# Allegro board 6089-119-RevA_41.brd (continued)
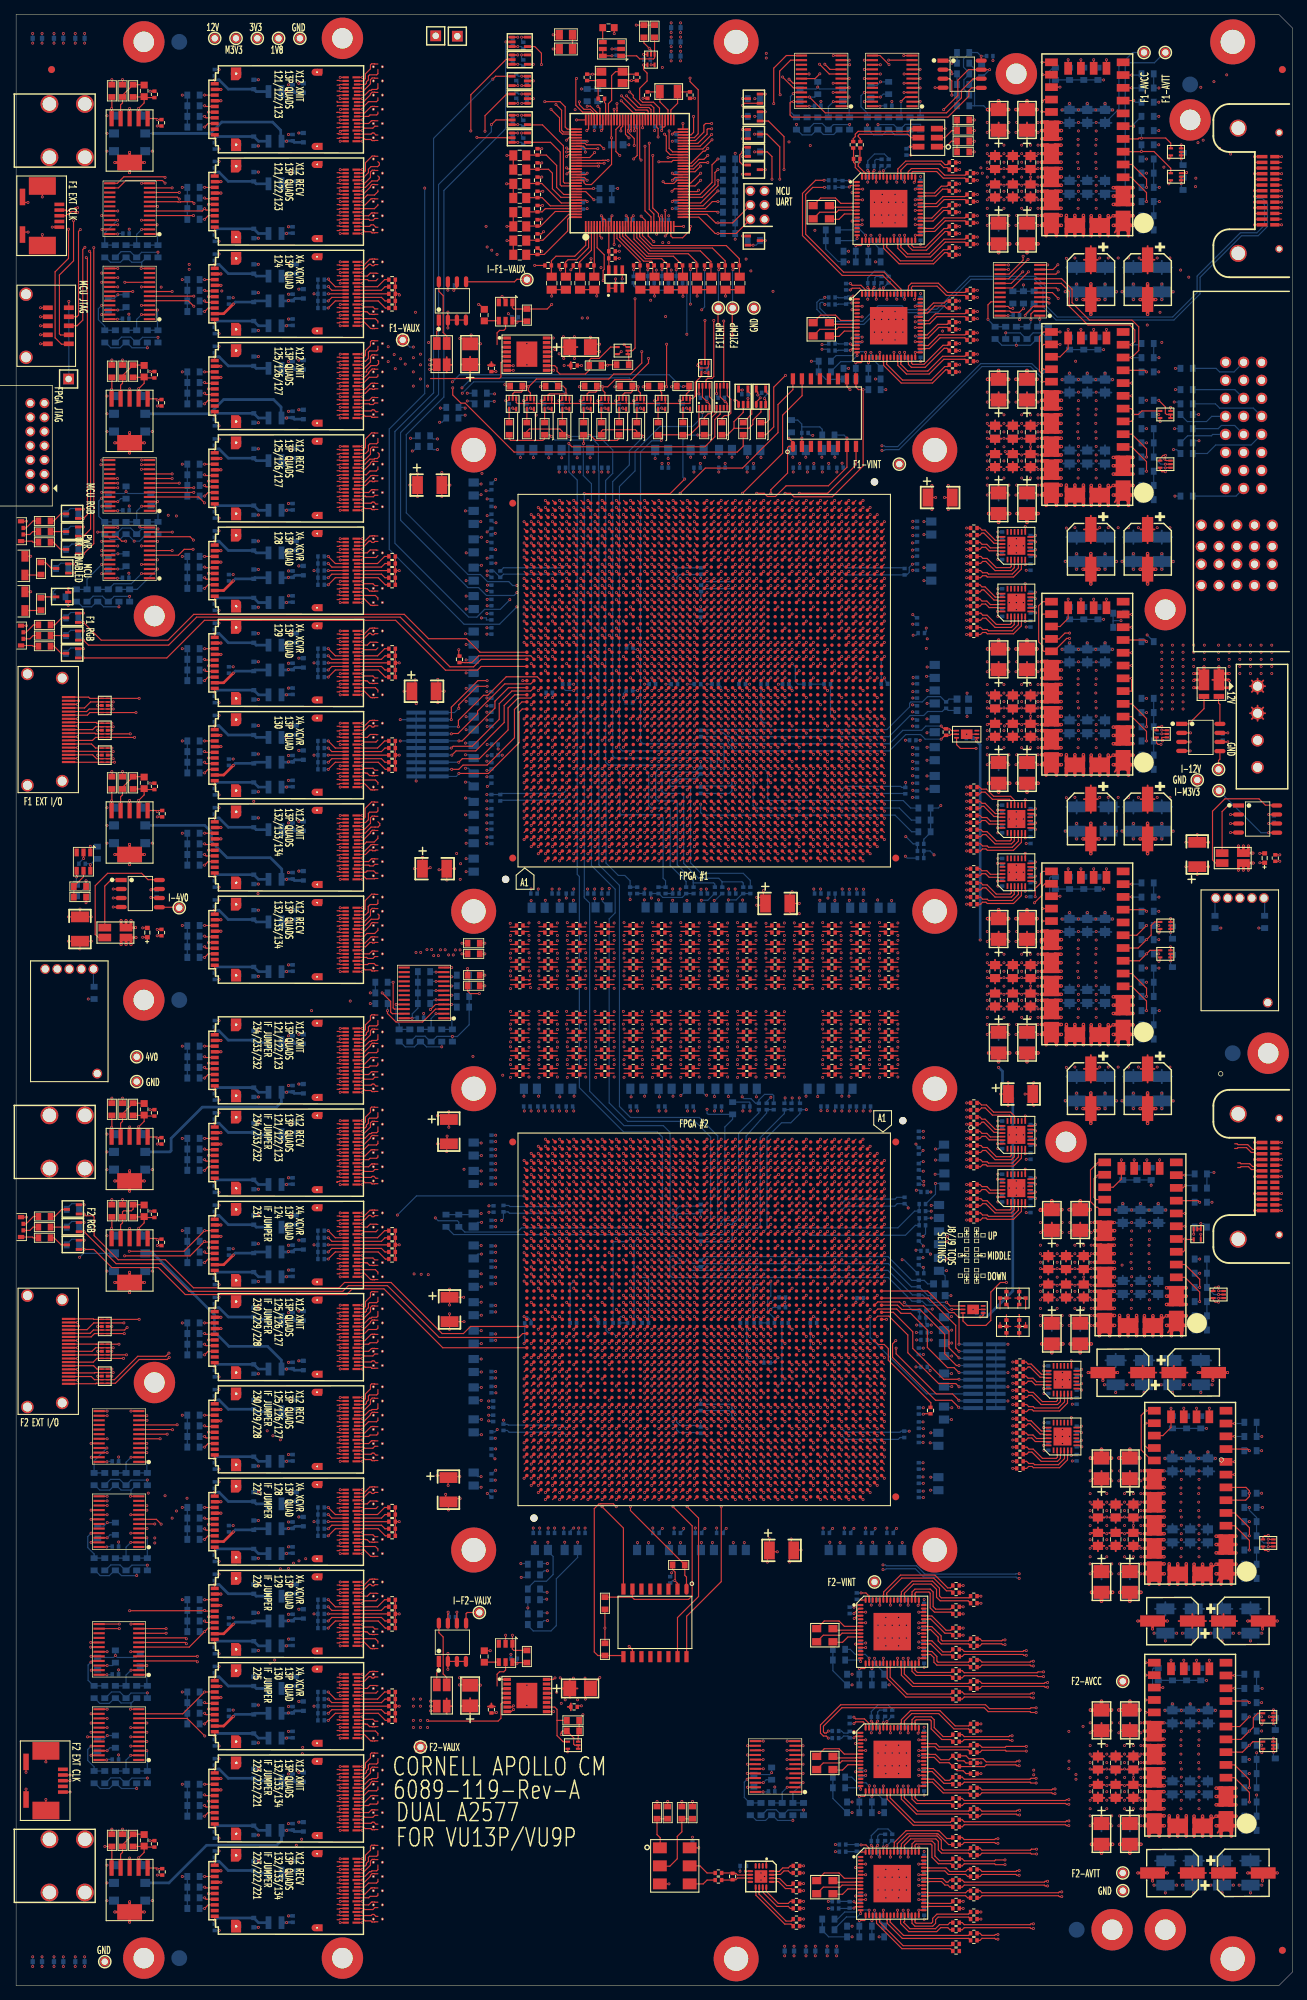
[diagram p0: board, top side]
## Routing (per net, layer and track width the routed paths; a pad name or vN(x,y) marks a point on that pad's centre or on a via; arc(x,y) is an arc through that point) (continued)
; J6.20 1.6,82.62 ; J6.20 2.66,81.55 ; J6.20 2.4,82.36 ; J6.20 1.6,80.48 ; 49.98,268.4 VA2.3 ; VA2.3 49.95,268.21 ; VA2.3 49.95,268.59 ; VA2.3 50.04,268.72 ; VA2.3 50.37,268.78 ; VA2.3 50.18,267.99 ; VA2.3 50.04,268.08 ; VA2.3 50.37,268.02 ; 50.18,170.49 VA39.4 ; VA39.4 50.37,171.28 ; VA39.4 50.04,170.58 ; VA39.4 49.98,170.9 ; VA39.4 50.04,171.22 ; VA39.4 50.37,170.52 ; VA39.4 49.95,170.71 ; VA39.4 49.95,171.09 ; VA66.4 51.96,107.22 ; VA66.4 52.05,107.09 ; VA66.4 51.82,107.31 ; VA66.4 52.05,106.71 ; VA66.4 51.63,107.28 ; VA66.4 51.63,106.52 ; VA66.4 51.96,106.58 ; VA66.4 52.02,106.9 ; VA49.4 51.63,149.78 ; VA49.4 52.05,149.21 ; VA49.4 51.82,149.81 ; VA49.4 51.63,149.02 ; VA49.4 52.05,149.59 ; VA49.4 51.96,149.08 ; VA49.4 51.96,149.72 ; VA49.4 52.02,149.4 ; 49.95,257.21 VA7.3 ; VA7.3 49.98,257.4 ; VA7.3 50.37,257.78 ; VA7.3 50.18,256.99 ; VA7.3 50.37,257.02 ; VA7.3 49.95,257.59 ; VA7.3 50.04,257.72 ; VA7.3 50.04,257.08 ; 50.18,165.99 VA41.3 ; VA41.3 50.37,166.78 ; VA41.3 49.95,166.59 ; VA41.3 49.95,166.21 ; VA41.3 50.04,166.72 ; VA41.3 50.04,166.08 ; VA41.3 50.37,166.02 ; VA41.3 49.98,166.4 ; VA4.4 51.96,264.72 ; VA4.4 51.63,264.78 ; VA4.4 51.96,264.08 ; VA4.4 52.05,264.21 ; VA4.4 52.02,264.4 ; VA4.4 52.05,264.59 ; VA4.4 51.82,264.81 ; VA4.4 51.63,264.02 ; 50.18,228.99 VA18.3 ; VA18.3 49.95,229.21 ; VA18.3 50.04,229.72 ; VA18.3 50.37,229.02 ; VA18.3 49.95,229.59 ; VA18.3 50.04,229.08 ; VA18.3 49.98,229.4 ; VA18.3 50.37,229.78 ; 50.18,8.99 VA104.3 ; VA104.3 50.04,9.08 ; VA104.3 50.37,9.78 ; VA104.3 49.95,9.21 ; VA104.3 49.98,9.4 ; VA104.3 50.04,9.72 ; VA104.3 49.95,9.59 ; VA104.3 50.37,9.02 ; PM16.1 104.88,236.4 ; PM16.1 104,237.28 ; PM16.1 103.12,236.4 ; PM16.1 103.33,235.73 ; PM16.1 104,235.52 ; PM16.1 104.67,235.73 ; PM16.1 103.33,237.07 ; PM16.1 104.67,237.07 ; VA4.3 50.37,264.78 ; VA4.3 49.98,264.4 ; VA4.3 49.95,264.59 ; VA4.3 49.95,264.21 ; VA4.3 50.37,264.02 ; VA4.3 50.04,264.08 ; VA4.3 50.18,263.99 ; VA4.3 50.04,264.72 ; VA96.4 52.02,26.4 ; VA96.4 52.05,26.59 ; VA96.4 51.82,26.81 ; VA96.4 51.63,26.78 ; VA96.4 51.63,26.02 ; VA96.4 51.96,26.08 ; VA96.4 52.05,26.21 ; VA96.4 51.96,26.72 ; VA45.4 52.05,158.21 ; VA45.4 51.96,158.08 ; VA45.4 52.05,158.59 ; VA45.4 52.02,158.4 ; VA45.4 51.82,158.81 ; VA45.4 51.96,158.72 ; VA45.4 51.63,158.78 ; VA45.4 51.63,158.02 ; 50.04,41.58 VA90.3 ; VA90.3 49.98,41.9 ; VA90.3 49.95,41.71 ; VA90.3 50.04,42.22 ; VA90.3 50.37,42.28 ; VA90.3 50.18,41.49 ; VA90.3 50.37,41.52 ; VA90.3 49.95,42.09 ; VA88.3 52.05,47.71 ; VA88.3 51.96,47.58 ; VA88.3 52.02,47.9 ; VA88.3 51.63,48.28 ; VA88.3 51.63,47.52 ; VA88.3 51.82,48.31 ; VA88.3 52.05,48.09 ; VA88.3 51.96,48.22 ; VA48.4 52.05,151.21 ; VA48.4 51.96,151.72 ; VA48.4 51.96,151.08 ; VA48.4 52.05,151.59 ; VA48.4 52.02,151.4 ; VA48.4 51.82,151.81 ; VA48.4 51.63,151.02 ; VA48.4 51.63,151.78 ; 50.04,76.08 VA79.3 ; VA79.3 49.95,76.21 ; VA79.3 50.37,76.02 ; VA79.3 49.95,76.59 ; VA79.3 49.98,76.4 ; VA79.3 50.18,75.99 ; VA79.3 50.04,76.72 ; VA79.3 50.37,76.78 ; VA82.4 52.05,67.71 ; VA82.4 52.02,67.9 ; VA82.4 51.96,67.58 ; VA82.4 51.63,67.52 ; VA82.4 52.05,68.09 ; VA82.4 51.82,68.31 ; VA82.4 51.96,68.22 ; VA82.4 51.63,68.28 ; 50.04,134.72 VA54.3 ; VA54.3 49.95,134.21 ; VA54.3 50.37,134.02 ; VA54.3 50.04,134.08 ; VA54.3 50.18,133.99 ; VA54.3 49.95,134.59 ; VA54.3 49.98,134.4 ; VA54.3 50.37,134.78 ; VA13.4 51.96,242.58 ; VA13.4 52.02,242.9 ; VA13.4 51.63,243.28 ; VA13.4 51.63,242.52 ; VA13.4 52.05,243.09 ; VA13.4 51.82,243.31 ; VA13.4 52.05,242.71 ; VA13.4 51.96,243.22 ; VA98.4 51.96,22.08 ; VA98.4 51.96,22.72 ; VA98.4 51.63,22.02 ; VA98.4 52.05,22.21 ; VA98.4 52.05,22.59 ; VA98.4 51.63,22.78 ; VA98.4 51.82,22.81 ; VA98.4 52.02,22.4 ; 51.63,181.52 VA36.3 ; VA36.3 51.82,182.31 ; VA36.3 52.05,182.09 ; VA36.3 51.96,182.22 ; VA36.3 52.02,181.9 ; VA36.3 51.63,182.28 ; VA36.3 51.96,181.58 ; VA36.3 52.05,181.71 ; VA35.3 51.96,183.58 ; VA35.3 51.82,184.31 ; VA35.3 51.96,184.22 ; VA35.3 51.63,184.28 ; VA35.3 52.05,184.09 ; VA35.3 52.05,183.71 ; VA35.3 51.63,183.52 ; VA35.3 52.02,183.9 ; 50.37,225.02 VA20.3 ; VA20.3 50.37,225.78 ; VA20.3 49.98,225.4 ; VA20.3 50.04,225.72 ; VA20.3 50.04,225.08 ; VA20.3 50.18,224.99 ; VA20.3 49.95,225.21 ; VA20.3 49.95,225.59 ; 51.63,175.52 VA38.4 ; VA38.4 51.96,176.22 ; VA38.4 51.82,176.31 ; VA38.4 52.05,176.09 ; VA38.4 52.02,175.9 ; VA38.4 51.63,176.28 ; VA38.4 51.96,175.58 ; VA38.4 52.05,175.71 ; 50.04,68.22 VA82.3 ; VA82.3 49.95,67.71 ; VA82.3 50.37,68.28 ; VA82.3 50.04,67.58 ; VA82.3 50.37,67.52 ; VA82.3 49.95,68.09 ; VA82.3 49.98,67.9 ; VA82.3 50.18,67.49 ; 49.95,196.71 VA31.4 ; VA31.4 50.37,196.52 ; VA31.4 50.04,196.58 ; VA31.4 49.95,197.09 ; VA31.4 50.37,197.28 ; VA31.4 50.04,197.22 ; VA31.4 50.18,196.49 ; VA31.4 49.98,196.9 ; 6.5,95.6 J6.22 ; J6.22 5.69,95.86 ; J6.22 5.69,97.47 ; J6.22 5.43,96.66 ; J6.22 7.31,97.47 ; J6.22 7.31,95.86 ; J6.22 6.5,97.73 ; J6.22 7.57,96.66 ; VA62.3 50.37,117.78 ; VA62.3 49.95,117.59 ; VA62.3 49.95,117.21 ; VA62.3 50.04,117.72 ; VA62.3 50.04,117.08 ; VA62.3 49.98,117.4 ; VA62.3 50.37,117.02 ; VA62.3 50.18,116.99 ; 49.95,32.59 VA93.3 ; VA93.3 49.95,32.21 ; VA93.3 50.18,31.99 ; VA93.3 50.04,32.72 ; VA93.3 49.98,32.4 ; VA93.3 50.37,32.78 ; VA93.3 50.04,32.08 ; VA93.3 50.37,32.02 ; VA60.3 50.37,121.78 ; VA60.3 50.04,121.08 ; VA60.3 49.95,121.59 ; VA60.3 50.37,121.02 ; VA60.3 50.04,121.72 ; VA60.3 49.95,121.21 ; VA60.3 49.98,121.4 ; VA60.3 50.18,120.99 ; VA15.3 51.96,236.22 ; VA15.3 51.96,235.58 ; VA15.3 52.02,235.9 ; VA15.3 52.05,235.71 ; VA15.3 52.05,236.09 ; VA15.3 51.63,235.52 ; VA15.3 51.63,236.28 ; VA15.3 51.82,236.31 ; VA47.4 52.05,153.21 ; VA47.4 51.63,153.02 ; VA47.4 51.82,153.81 ; VA47.4 51.63,153.78 ; VA47.4 51.96,153.72 ; VA47.4 52.05,153.59 ; VA47.4 52.02,153.4 ; VA47.4 51.96,153.08 ; VA7.4 51.96,257.72 ; VA7.4 52.05,257.59 ; VA7.4 52.02,257.4 ; VA7.4 52.05,257.21 ; VA7.4 51.96,257.08 ; VA7.4 51.63,257.78 ; VA7.4 51.63,257.02 ; VA7.4 51.82,257.81 ; 50.37,13.02 VA102.3 ; VA102.3 50.18,12.99 ; VA102.3 50.37,13.78 ; VA102.3 49.98,13.4 ; VA102.3 50.04,13.08 ; VA102.3 50.04,13.72 ; VA102.3 49.95,13.59 ; VA102.3 49.95,13.21 ; 50.04,47.58 VA88.4 ; VA88.4 49.95,47.71 ; VA88.4 49.98,47.9 ; VA88.4 50.37,48.28 ; VA88.4 49.95,48.09 ; VA88.4 50.18,47.49 ; VA88.4 50.37,47.52 ; VA88.4 50.04,48.22 ; VA93.4 51.82,32.81 ; VA93.4 52.02,32.4 ; VA93.4 51.96,32.08 ; VA93.4 52.05,32.59 ; VA93.4 52.05,32.21 ; VA93.4 51.63,32.78 ; VA93.4 51.63,32.02 ; VA93.4 51.96,32.72 ; 50.18,25.99 VA96.3 ; VA96.3 49.95,26.59 ; VA96.3 50.04,26.08 ; VA96.3 50.04,26.72 ; VA96.3 49.98,26.4 ; VA96.3 50.37,26.02 ; VA96.3 49.95,26.21 ; VA96.3 50.37,26.78 ; VA60.4 52.02,121.4 ; VA60.4 52.05,121.21 ; VA60.4 51.96,121.08 ; VA60.4 51.63,121.78 ; VA60.4 52.05,121.59 ; VA60.4 51.63,121.02 ; VA60.4 51.96,121.72 ; VA60.4 51.82,121.81 ; VA52.4 52.02,143.4 ; VA52.4 51.96,143.72 ; VA52.4 52.05,143.59 ; VA52.4 51.82,143.81 ; VA52.4 51.63,143.78 ; VA52.4 52.05,143.21 ; VA52.4 51.96,143.08 ; VA52.4 51.63,143.02 ; 49.95,132.21 VA55.3 ; VA55.3 50.37,132.02 ; VA55.3 50.04,132.72 ; VA55.3 50.04,132.08 ; VA55.3 50.37,132.78 ; VA55.3 49.95,132.59 ; VA55.3 49.98,132.4 ; VA55.3 50.18,131.99 ; 50.37,231.02 VA17.3 ; VA17.3 50.04,231.72 ; VA17.3 50.18,230.99 ; VA17.3 49.95,231.21 ; VA17.3 50.37,231.78 ; VA17.3 49.98,231.4 ; VA17.3 49.95,231.59 ; VA17.3 50.04,231.08 ; 49.98,49.9 VA87.4 ; VA87.4 50.37,49.52 ; VA87.4 50.37,50.28 ; VA87.4 49.95,50.09 ; VA87.4 50.18,49.49 ; VA87.4 49.95,49.71 ; VA87.4 50.04,50.22 ; VA87.4 50.04,49.58 ; 50.18,114.99 VA63.3 ; VA63.3 50.04,115.72 ; VA63.3 50.04,115.08 ; VA63.3 50.37,115.02 ; VA63.3 49.98,115.4 ; VA63.3 50.37,115.78 ; VA63.3 49.95,115.21 ; VA63.3 49.95,115.59 ; VA20.4 52.05,225.21 ; VA20.4 51.63,225.02 ; VA20.4 52.05,225.59 ; VA20.4 51.96,225.08 ; VA20.4 51.82,225.81 ; VA20.4 52.02,225.4 ; VA20.4 51.63,225.78 ; VA20.4 51.96,225.72 ; 50.04,203.58 VA29.3 ; VA29.3 49.95,204.09 ; VA29.3 49.98,203.9 ; VA29.3 50.37,204.28 ; VA29.3 49.95,203.71 ; VA29.3 50.04,204.22 ; VA29.3 50.37,203.52 ; VA29.3 50.18,203.49 ; 51.63,82.02 VA76.4 ; VA76.4 52.05,82.21 ; VA76.4 51.63,82.78 ; VA76.4 51.96,82.08 ; VA76.4 51.96,82.72 ; VA76.4 51.82,82.81 ; VA76.4 52.05,82.59 ; VA76.4 52.02,82.4 ; VA5.4 51.96,262.08 ; VA5.4 52.02,262.4 ; VA5.4 51.63,262.78 ; VA5.4 51.96,262.72 ; VA5.4 52.05,262.59 ; VA5.4 51.82,262.81 ; VA5.4 52.05,262.21 ; VA5.4 51.63,262.02 ; VA14.4 52.05,241.09 ; VA14.4 51.63,240.52 ; VA14.4 51.82,241.31 ; VA14.4 52.05,240.71 ; VA14.4 51.96,240.58 ; VA14.4 51.63,241.28 ; VA14.4 52.02,240.9 ; VA14.4 51.96,241.22 ; 50.37,56.52 VA85.3 ; VA85.3 50.18,56.49 ; VA85.3 49.98,56.9 ; VA85.3 50.04,56.58 ; VA85.3 49.95,56.71 ; VA85.3 50.37,57.28 ; VA85.3 50.04,57.22 ; VA85.3 49.95,57.09 ; VA21.3 50.37,223.78 ; VA21.3 50.18,222.99 ; VA21.3 50.04,223.72 ; VA21.3 50.37,223.02 ; VA21.3 49.95,223.21 ; VA21.3 49.95,223.59 ; VA21.3 49.98,223.4 ; VA21.3 50.04,223.08 ; 51.63,28.02 VA95.4 ; VA95.4 51.82,28.81 ; VA95.4 51.96,28.72 ; VA95.4 52.02,28.4 ; VA95.4 52.05,28.59 ; VA95.4 51.96,28.08 ; VA95.4 52.05,28.21 ; VA95.4 51.63,28.78 ; 49.98,28.4 VA95.3 ; VA95.3 50.04,28.72 ; VA95.3 49.95,28.21 ; VA95.3 50.37,28.02 ; VA95.3 50.18,27.99 ; VA95.3 50.37,28.78 ; VA95.3 50.04,28.08 ; VA95.3 49.95,28.59 ; 49.98,17.4 VA100.3 ; VA100.3 50.37,17.78 ; VA100.3 49.95,17.59 ; VA100.3 50.37,17.02 ; VA100.3 50.04,17.08 ; VA100.3 49.95,17.21 ; VA100.3 50.04,17.72 ; VA100.3 50.18,16.99 ; VA50.4 51.96,147.08 ; VA50.4 51.96,147.72 ; VA50.4 52.02,147.4 ; VA50.4 52.05,147.59 ; VA50.4 51.63,147.02 ; VA50.4 52.05,147.21 ; VA50.4 51.63,147.78 ; VA50.4 51.82,147.81 ; VA31.3 52.05,196.71 ; VA31.3 52.05,197.09 ; VA31.3 51.63,196.52 ; VA31.3 51.96,196.58 ; VA31.3 51.82,197.31 ; VA31.3 51.63,197.28 ; VA31.3 51.96,197.22 ; VA31.3 52.02,196.9 ; 49.95,218.21 VA23.3 ; VA23.3 50.37,218.02 ; VA23.3 49.98,218.4 ; VA23.3 49.95,218.59 ; VA23.3 50.37,218.78 ; VA23.3 50.04,218.72 ; VA23.3 50.04,218.08 ; VA23.3 50.18,217.99 ; VA89.4 52.05,44.09 ; VA89.4 51.63,44.28 ; VA89.4 51.96,44.22 ; VA89.4 51.96,43.58 ; VA89.4 52.02,43.9 ; VA89.4 51.82,44.31 ; VA89.4 52.05,43.71 ; VA89.4 51.63,43.52 ; VA73.3 50.37,89.78 ; VA73.3 49.95,89.59 ; VA73.3 50.04,89.08 ; VA73.3 50.18,88.99 ; VA73.3 49.95,89.21 ; VA73.3 50.04,89.72 ; VA73.3 49.98,89.4 ; VA73.3 50.37,89.02 ; VA19.4 51.63,227.78 ; VA19.4 52.02,227.4 ; VA19.4 51.96,227.08 ; VA19.4 51.82,227.81 ; VA19.4 51.96,227.72 ; VA19.4 51.63,227.02 ; VA19.4 52.05,227.59 ; VA19.4 52.05,227.21 ; VA84.3 51.63,61.28 ; VA84.3 52.05,60.71 ; VA84.3 51.96,60.58 ; VA84.3 51.82,61.31 ; VA84.3 51.96,61.22 ; VA84.3 52.05,61.09 ; VA84.3 52.02,60.9 ; VA84.3 51.63,60.52 ; 49.98,160.4 VA44.3 ; VA44.3 50.04,160.08 ; VA44.3 50.37,160.02 ; VA44.3 49.95,160.59 ; VA44.3 50.04,160.72 ; VA44.3 50.37,160.78 ; VA44.3 50.18,159.99 ; VA44.3 49.95,160.21 ; VA80.4 51.96,74.72 ; VA80.4 51.82,74.81 ; VA80.4 51.96,74.08 ; VA80.4 52.02,74.4 ; VA80.4 52.05,74.59 ; VA80.4 52.05,74.21 ; VA80.4 51.63,74.02 ; VA80.4 51.63,74.78 ; VA51.4 51.63,145.78 ; VA51.4 52.05,145.59 ; VA51.4 51.96,145.72 ; VA51.4 51.63,145.02 ; VA51.4 52.05,145.21 ; VA51.4 52.02,145.4 ; VA51.4 51.82,145.81 ; VA51.4 51.96,145.08 ; VA21.4 52.05,223.59 ; VA21.4 51.96,223.08 ; VA21.4 52.02,223.4 ; VA21.4 52.05,223.21 ; VA21.4 51.96,223.72 ; VA21.4 51.63,223.02 ; VA21.4 51.63,223.78 ; VA21.4 51.82,223.81 ; 49.95,164.59 VA42.3 ; VA42.3 50.37,164.02 ; VA42.3 49.95,164.21 ; VA42.3 50.04,164.08 ; VA42.3 50.04,164.72 ; VA42.3 50.18,163.99 ; VA42.3 49.98,164.4 ; VA42.3 50.37,164.78 ; 49.95,249.21 VA11.3 ; VA11.3 49.95,249.59 ; VA11.3 50.37,249.02 ; VA11.3 49.98,249.4 ; VA11.3 50.18,248.99 ; VA11.3 50.04,249.08 ; VA11.3 50.04,249.72 ; VA11.3 50.37,249.78 ; 49.95,82.21 VA76.3 ; VA76.3 49.98,82.4 ; VA76.3 50.04,82.08 ; VA76.3 49.95,82.59 ; VA76.3 50.37,82.02 ; VA76.3 50.04,82.72 ; VA76.3 50.18,81.99 ; VA76.3 50.37,82.78 ; 50.04,136.72 VA53.3 ; VA53.3 49.95,136.21 ; VA53.3 49.95,136.59 ; VA53.3 50.04,136.08 ; VA53.3 50.37,136.78 ; VA53.3 49.98,136.4 ; VA53.3 50.37,136.02 ; VA53.3 50.18,135.99 ; 50.04,270.72 VA1.3 ; VA1.3 49.95,270.59 ; VA1.3 50.04,270.08 ; VA1.3 50.18,269.99 ; VA1.3 50.37,270.78 ; VA1.3 50.37,270.02 ; VA1.3 49.95,270.21 ; VA1.3 49.98,270.4 ; 49.95,177.71 VA37.3 ; VA37.3 49.95,178.09 ; VA37.3 50.04,178.22 ; VA37.3 50.04,177.58 ; VA37.3 49.98,177.9 ; VA37.3 50.37,178.28 ; VA37.3 50.37,177.52 ; VA37.3 50.18,177.49 ; 171.83,153.94 U122.3 ; U122.3 172.12,152.4 ; U122.3 172.5,152.39 ; U122.3 173.17,152.6 ; U122.3 172.88,154.14 ; U122.3 173.17,153.94 ; U122.3 171.83,152.6 ; U122.3 172.5,154.14 ; 49.95,214.21 VA25.3 ; VA25.3 50.18,213.99 ; VA25.3 50.37,214.02 ; VA25.3 50.37,214.78 ; VA25.3 49.95,214.59 ; VA25.3 49.98,214.4 ; VA25.3 50.04,214.72 ; VA25.3 50.04,214.08 ; VA30.4 51.96,202.22 ; VA30.4 51.63,202.28 ; VA30.4 51.63,201.52 ; VA30.4 52.05,201.71 ; VA30.4 52.02,201.9 ; VA30.4 52.05,202.09 ; VA30.4 51.82,202.31 ; VA30.4 51.96,201.58 ; 50.04,119.72 VA61.3 ; VA61.3 49.95,119.21 ; VA61.3 49.98,119.4 ; VA61.3 50.04,119.08 ; VA61.3 50.37,119.78 ; VA61.3 50.18,118.99 ; VA61.3 49.95,119.59 ; VA61.3 50.37,119.02 ; VA86.3 50.37,55.28 ; VA86.3 50.04,55.22 ; VA86.3 50.18,54.49 ; VA86.3 49.95,54.71 ; VA86.3 50.37,54.52 ; VA86.3 49.98,54.9 ; VA86.3 50.04,54.58 ; VA86.3 49.95,55.09 ; 50.04,156.72 VA46.3 ; VA46.3 49.98,156.4 ; VA46.3 50.37,156.78 ; VA46.3 49.95,156.21 ; VA46.3 50.37,156.02 ; VA46.3 50.04,156.08 ; VA46.3 50.18,155.99 ; VA46.3 49.95,156.59 ; VA59.4 52.05,123.59 ; VA59.4 52.02,123.4 ; VA59.4 51.96,123.72 ; VA59.4 51.82,123.81 ; VA59.4 51.63,123.02 ; VA59.4 51.96,123.08 ; VA59.4 52.05,123.21 ; VA59.4 51.63,123.78 ; VA78.4 52.02,78.4 ; VA78.4 51.96,78.08 ; VA78.4 51.63,78.02 ; VA78.4 51.63,78.78 ; VA78.4 51.82,78.81 ; VA78.4 52.05,78.59 ; VA78.4 51.96,78.72 ; VA78.4 52.05,78.21 ; VA102.4 52.05,13.21 ; VA102.4 51.82,13.81 ; VA102.4 52.02,13.4 ; VA102.4 51.96,13.72 ; VA102.4 51.63,13.02 ; VA102.4 52.05,13.59 ; VA102.4 51.63,13.78 ; VA102.4 51.96,13.08 ; 49.98,188.9 VA34.3 ; VA34.3 50.37,189.28 ; VA34.3 50.04,188.58 ; VA34.3 50.04,189.22 ; VA34.3 50.37,188.52 ; VA34.3 49.95,188.71 ; VA34.3 49.95,189.09 ; VA34.3 50.18,188.49 ; 50.04,74.72 VA80.3 ; VA80.3 49.95,74.21 ; VA80.3 50.18,73.99 ; VA80.3 49.98,74.4 ; VA80.3 49.95,74.59 ; VA80.3 50.37,74.78 ; VA80.3 50.04,74.08 ; VA80.3 50.37,74.02 ; VA34.4 51.63,189.28 ; VA34.4 51.82,189.31 ; VA34.4 52.02,188.9 ; VA34.4 51.96,188.58 ; VA34.4 52.05,188.71 ; VA34.4 51.63,188.52 ; VA34.4 52.05,189.09 ; VA34.4 51.96,189.22 ; VA77.4 51.63,80.78 ; VA77.4 51.63,80.02 ; VA77.4 52.05,80.59 ; VA77.4 51.96,80.72 ; VA77.4 52.05,80.21 ; VA77.4 51.82,80.81 ; VA77.4 51.96,80.08 ; VA77.4 52.02,80.4 ; 49.95,181.71 VA36.4 ; VA36.4 50.37,181.52 ; VA36.4 50.18,181.49 ; VA36.4 49.98,181.9 ; VA36.4 49.95,182.09 ; VA36.4 50.04,181.58 ; VA36.4 50.04,182.22 ; VA36.4 50.37,182.28 ; 49.95,255.59 VA8.3 ; VA8.3 50.04,255.08 ; VA8.3 50.04,255.72 ; VA8.3 49.98,255.4 ; VA8.3 50.18,254.99 ; VA8.3 49.95,255.21 ; VA8.3 50.37,255.02 ; VA8.3 50.37,255.78 ; VA44.4 52.05,160.21 ; VA44.4 51.82,160.81 ; VA44.4 51.96,160.08 ; VA44.4 51.63,160.78 ; VA44.4 52.05,160.59 ; VA44.4 51.96,160.72 ; VA44.4 52.02,160.4 ; VA44.4 51.63,160.02 ; VA46.4 52.02,156.4 ; VA46.4 51.82,156.81 ; VA46.4 52.05,156.21 ; VA46.4 51.63,156.02 ; VA46.4 51.63,156.78 ; VA46.4 51.96,156.08 ; VA46.4 51.96,156.72 ; VA46.4 52.05,156.59 ; VA53.4 52.02,136.4 ; VA53.4 51.82,136.81 ; VA53.4 51.96,136.08 ; VA53.4 52.05,136.21 ; VA53.4 52.05,136.59 ; VA53.4 51.63,136.02 ; VA53.4 51.96,136.72 ; VA53.4 51.63,136.78 ; VA16.3 51.96,233.58 ; VA16.3 52.05,234.09 ; VA16.3 51.82,234.31 ; VA16.3 51.96,234.22 ; VA16.3 51.63,233.52 ; VA16.3 51.63,234.28 ; VA16.3 52.05,233.71 ; VA16.3 52.02,233.9 ; VA22.4 51.96,221.08 ; VA22.4 52.02,221.4 ; VA22.4 52.05,221.59 ; VA22.4 52.05,221.21 ; VA22.4 51.63,221.02 ; VA22.4 51.63,221.78 ; VA22.4 51.96,221.72 ; VA22.4 51.82,221.81 ; 51.63,212.02 VA26.4 ; VA26.4 51.82,212.81 ; VA26.4 52.05,212.21 ; VA26.4 52.05,212.59 ; VA26.4 51.96,212.08 ; VA26.4 51.63,212.78 ; VA26.4 51.96,212.72 ; VA26.4 52.02,212.4 ; VA57.4 51.96,128.72 ; VA57.4 51.96,128.08 ; VA57.4 51.82,128.81 ; VA57.4 52.05,128.21 ; VA57.4 51.63,128.78 ; VA57.4 51.63,128.02 ; VA57.4 52.02,128.4 ; VA57.4 52.05,128.59 ; VA104.4 51.63,9.78 ; VA104.4 52.05,9.21 ; VA104.4 52.05,9.59 ; VA104.4 51.63,9.02 ; VA104.4 52.02,9.4 ; VA104.4 51.96,9.72 ; VA104.4 51.96,9.08 ; VA104.4 51.82,9.81 ; 49.95,143.21 VA52.3 ; VA52.3 50.37,143.02 ; VA52.3 50.18,142.99 ; VA52.3 49.98,143.4 ; VA52.3 50.37,143.78 ; VA52.3 50.04,143.72 ; VA52.3 50.04,143.08 ; VA52.3 49.95,143.59 ; PM1.1 13.17,2.73 ; PM1.1 11.62,3.4 ; PM1.1 11.83,4.07 ; PM1.1 12.5,2.52 ; PM1.1 11.83,2.73 ; PM1.1 13.38,3.4 ; PM1.1 12.5,4.28 ; PM1.1 13.17,4.07 ; VA51.3 50.37,145.78 ; VA51.3 49.95,145.59 ; VA51.3 50.18,144.99 ; VA51.3 50.04,145.72 ; VA51.3 50.37,145.02 ; VA51.3 49.98,145.4 ; VA51.3 49.95,145.21 ; VA51.3 50.04,145.08 ; VA65.4 52.05,108.71 ; VA65.4 52.02,108.9 ; VA65.4 51.63,108.52 ; VA65.4 51.96,109.22 ; VA65.4 51.82,109.31 ; VA65.4 51.96,108.58 ; VA65.4 51.63,109.28 ; VA65.4 52.05,109.09 ; VA101.4 51.63,15.78 ; VA101.4 52.02,15.4 ; VA101.4 51.63,15.02 ; VA101.4 51.96,15.08 ; VA101.4 51.82,15.81 ; VA101.4 52.05,15.59 ; VA101.4 52.05,15.21 ; VA101.4 51.96,15.72 ; VA11.4 52.05,249.59 ; VA11.4 52.05,249.21 ; VA11.4 52.02,249.4 ; VA11.4 51.96,249.08 ; VA11.4 51.63,249.78 ; VA11.4 51.96,249.72 ; VA11.4 51.82,249.81 ; VA11.4 51.63,249.02 ; VA90.4 52.02,41.9 ; VA90.4 51.82,42.31 ; VA90.4 51.63,42.28 ; VA90.4 52.05,42.09 ; VA90.4 51.96,41.58 ; VA90.4 51.63,41.52 ; VA90.4 51.96,42.22 ; VA90.4 52.05,41.71 ; VA92.3 51.96,34.58 ; VA92.3 51.63,35.28 ; VA92.3 52.05,34.71 ; VA92.3 51.82,35.31 ; VA92.3 51.96,35.22 ; VA92.3 51.63,34.52 ; VA92.3 52.05,35.09 ; VA92.3 52.02,34.9 ; 50.04,216.72 VA24.3 ; VA24.3 49.95,216.59 ; VA24.3 49.95,216.21 ; VA24.3 50.37,216.78 ; VA24.3 49.98,216.4 ; VA24.3 50.37,216.02 ; VA24.3 50.04,216.08 ; VA24.3 50.18,215.99 ; VA41.4 51.82,166.81 ; VA41.4 52.05,166.59 ; VA41.4 51.63,166.78 ; VA41.4 52.02,166.4 ; VA41.4 52.05,166.21 ; VA41.4 51.63,166.02 ; VA41.4 51.96,166.08 ; VA41.4 51.96,166.72 ; 51.63,231.02 VA17.4 ; VA17.4 52.05,231.21 ; VA17.4 51.63,231.78 ; VA17.4 52.05,231.59 ; VA17.4 51.82,231.81 ; VA17.4 51.96,231.72 ; VA17.4 51.96,231.08 ; VA17.4 52.02,231.4 ; VA6.4 51.96,260.72 ; VA6.4 51.63,260.78 ; VA6.4 51.63,260.02 ; VA6.4 52.05,260.59 ; VA6.4 51.82,260.81 ; VA6.4 52.05,260.21 ; VA6.4 52.02,260.4 ; VA6.4 51.96,260.08